# Altium PCB Zotino.PCBDOC (part 5 of 8)
Units mil, origin at the board's own origin, x right, y up, seen from the top; angles counter-clockwise.
Board outline 6303.18 x 3940.98 mil, 4 copper layers (TopLayer, Internal Plane 2, Signal Layer 1, BottomLayer), stack 61.54 mil thick; 716 components, 353 nets, 2092 pads, 748 vias.
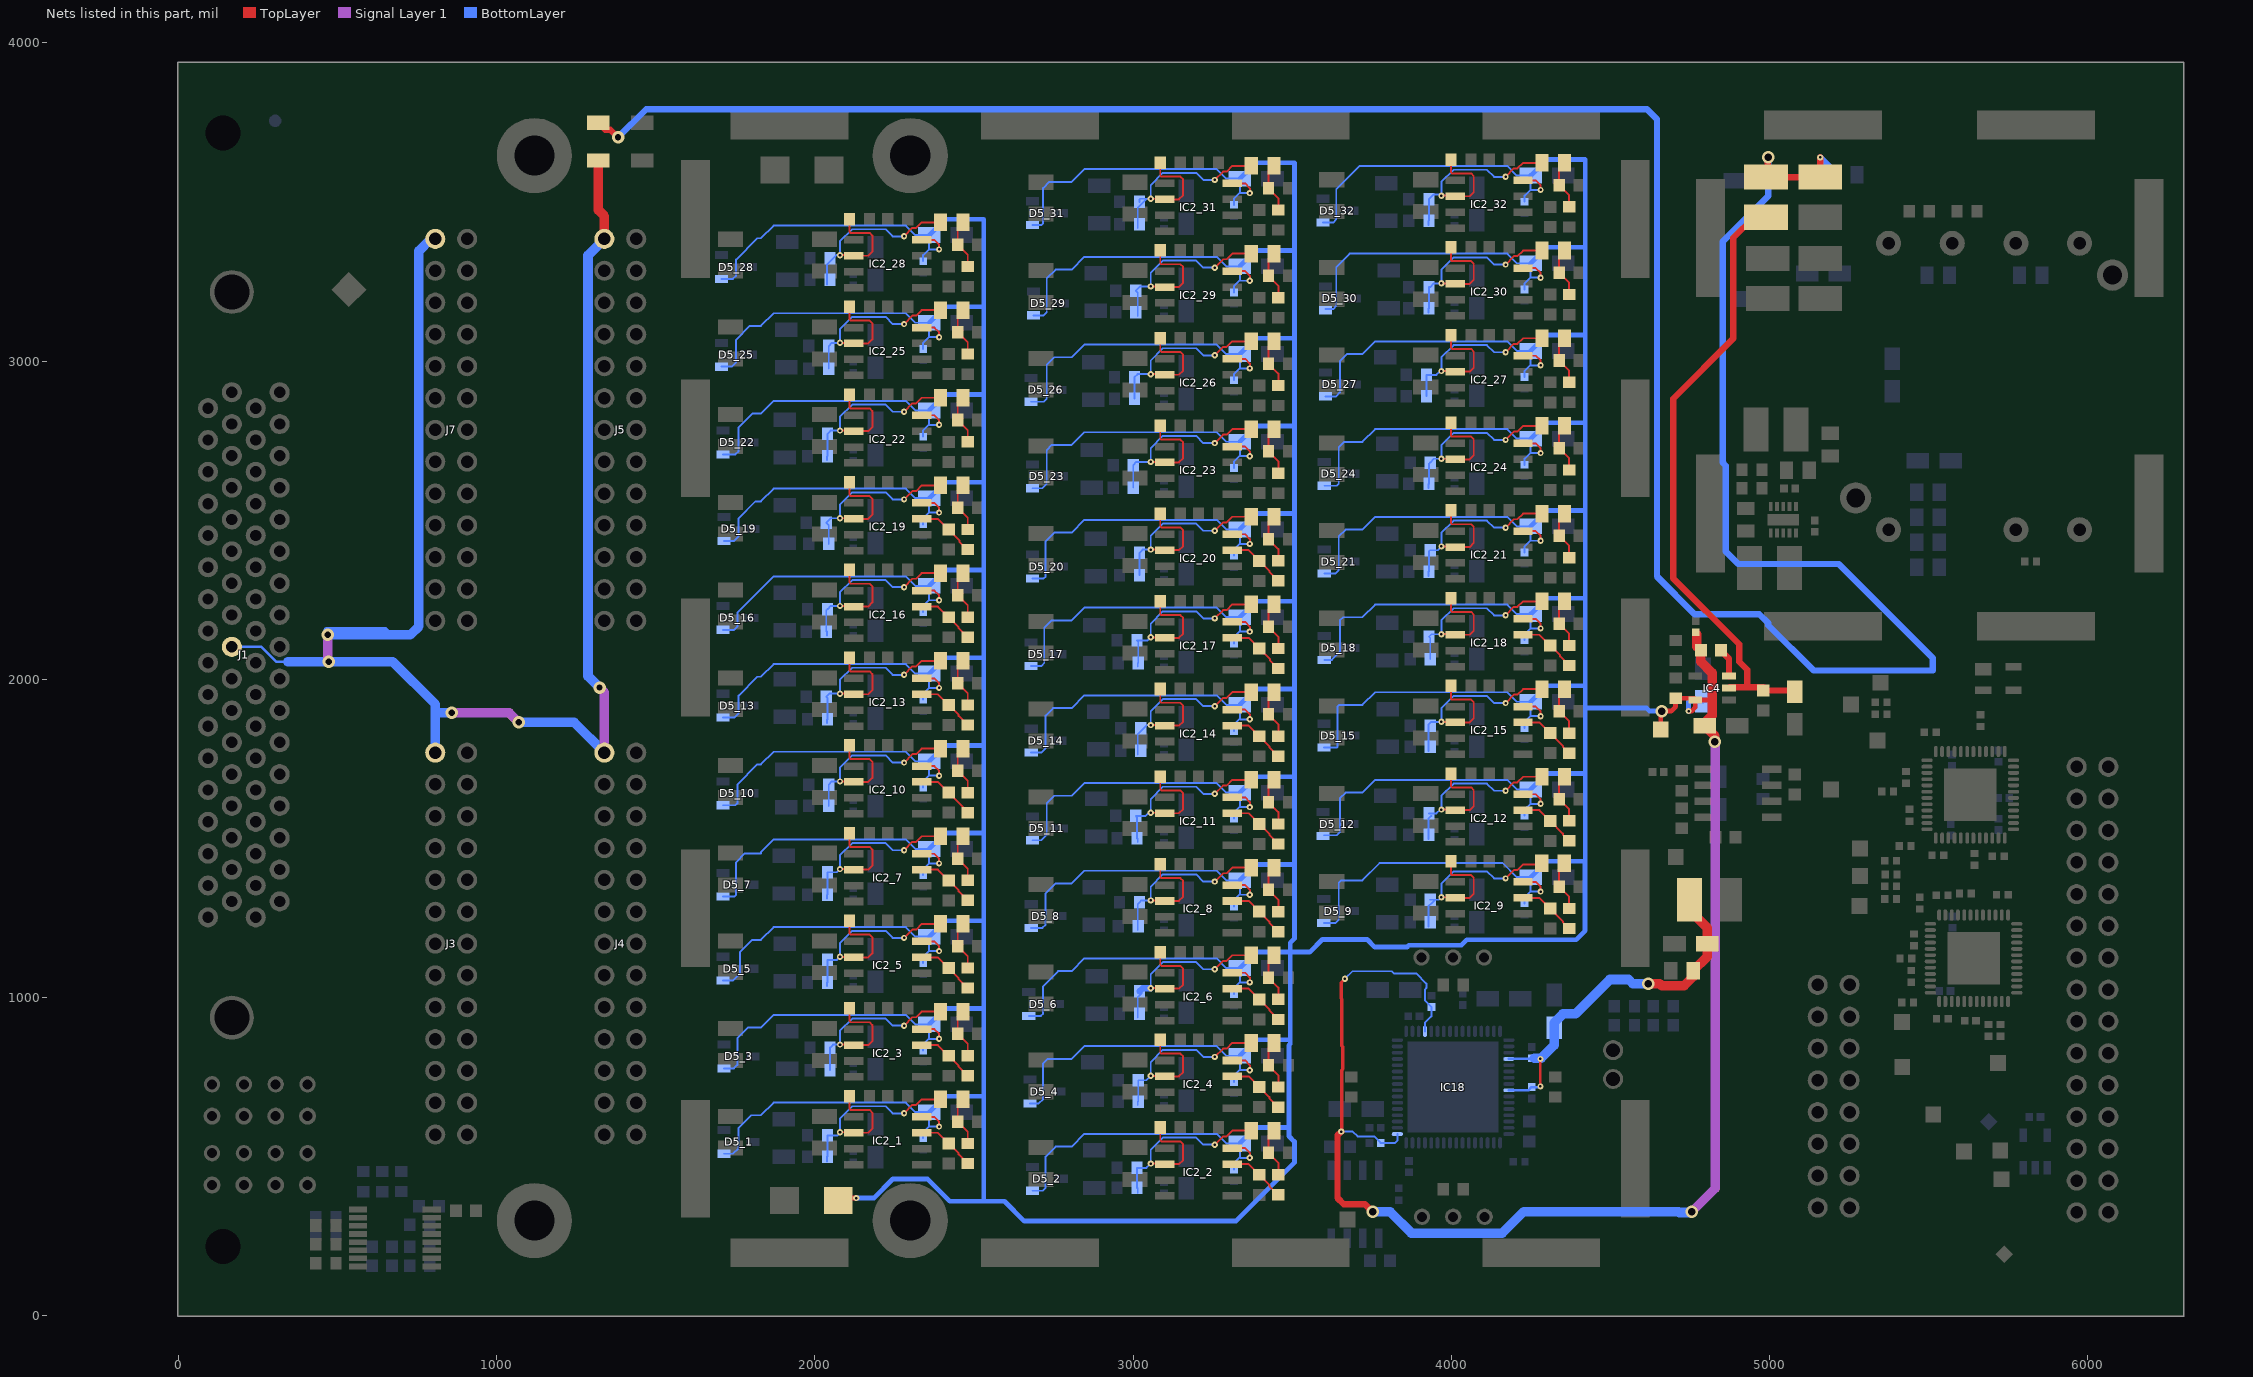
[diagram p7: the nets of this part, all layers, seen from the top]

## Via types
v1: diameter 19.68, hole 7.87, TopLayer to BottomLayer, tented both sides, 647 vias
v2: diameter 23.62, hole 11.81, TopLayer to BottomLayer, tented both sides, 70 vias
v3: diameter 39.37, hole 23.62, TopLayer to BottomLayer, tented both sides, 23 vias
v4: diameter 39.37, hole 19.68, TopLayer to BottomLayer, tented both sides, 8 vias

## Nets (pads, with @x,y where several pads share a name; then routed paths per layer and width w, separated by ;. In a path a pad name is that pad's centre, name@x,y a point inside that pad or via, vN(x,y) a via of type N, cw(c..) or ccw(c..) an arc to the next point about the centre after c; other vN are vias at no path point) (continued)
N12V0A: C1.2 C5.2 C6.1 C50.2 C53.2 C92_1.2 C92_2.2 C92_3.2 C92_4.2 C92_5.2 C92_6.2 C92_7.2 C92_8.2 C92_9.2 C92_10.2 C92_11.2 C92_12.2 C92_13.2 C92_14.2 C92_15.2 C92_16.2 C92_17.2 C92_18.2 C92_19.2 C92_20.2 C92_21.2 C92_22.2 C92_23.2 C92_24.2 C92_25.2 C92_26.2 C92_27.2 C92_28.2 C92_29.2 C92_30.2 C92_31.2 C92_32.2 C93_1.2 C93_2.2 C93_3.2 C93_4.2 C93_5.2 C93_6.2 C93_7.2 C93_8.2 C93_9.2 C93_10.2 C93_11.2 C93_12.2 C93_13.2 C93_14.2 C93_15.2 C93_16.2 C93_17.2 C93_18.2 C93_19.2 C93_20.2 C93_21.2 C93_22.2 C93_23.2 C93_24.2 C93_25.2 C93_26.2 C93_27.2 C93_28.2 C93_29.2 C93_30.2 C93_31.2 C93_32.2 C147.2 D5_1.1 D5_2.1 D5_3.1 D5_4.1 D5_5.1 D5_6.1 D5_7.1 D5_8.1 D5_9.1 D5_10.1 D5_11.1 D5_12.1 D5_13.1 D5_14.1 D5_15.1 D5_16.1 D5_17.1 D5_18.1 D5_19.1 D5_20.1 D5_21.1 D5_22.1 D5_23.1 D5_24.1 D5_25.1 D5_26.1 D5_27.1 D5_28.1 D5_29.1 D5_30.1 D5_31.1 D5_32.1 D11.2 IC2_1.4 IC2_2.4 IC2_3.4 IC2_4.4 IC2_5.4 IC2_6.4 IC2_7.4 IC2_8.4 IC2_9.4 IC2_10.4 IC2_11.4 IC2_12.4 IC2_13.4 IC2_14.4 IC2_15.4 IC2_16.4 IC2_17.4 IC2_18.4 IC2_19.4 IC2_20.4 IC2_21.4 IC2_22.4 IC2_23.4 IC2_24.4 IC2_25.4 IC2_26.4 IC2_27.4 IC2_28.4 IC2_29.4 IC2_30.4 IC2_31.4 IC2_32.4 IC4.5 IC18.17 IC18.36 R69.2 TP9.1 | length 54012.2
  TopLayer w6: IC2_1.4@2334.9,625 2375,625 2390,610 v1(2390,594.72) ; IC2_3.4@2334.9,900.59 2375,900.59 2390,885.59 v1(2390,870.31) ; IC2_5.4@2334.9,1176.18 2375,1176.18 2390,1161.18 v1(2390,1145.91) ; IC2_7.4@2334.9,1451.77 2375,1451.77 2390,1436.77 v1(2390,1421.5) ; IC2_10.4@2334.9,1727.36 2375,1727.36 2390,1712.36 v1(2390,1697.09) ; IC2_13.4@2334.9,2002.95 2375,2002.95 2390,1987.95 v1(2390,1972.68) ; IC2_16.4@2334.9,2278.54 2375,2278.54 2390,2263.54 v1(2390,2248.27) ; IC2_19.4@2334.9,2554.13 2375,2554.13 2390,2539.13 v1(2390,2523.86) ; IC2_22.4@2334.9,2829.72 2375,2829.72 2390,2814.72 v1(2390,2799.45) ; IC2_25.4@2334.9,3105.32 2375,3105.32 2390,3090.32 v1(2390,3075.04) ; IC2_28.4@2334.9,3380.91 2375,3380.91 2390,3365.91 v1(2390,3350.63) ; IC2_2.4@3311.28,526.57 3351.38,526.57 3366.38,511.57 v1(3366.38,496.3) ; IC2_4.4@3311.28,802.17 3351.38,802.17 3366.38,787.17 v1(3366.38,771.89) ; IC2_6.4@3311.28,1077.76 3351.38,1077.76 3366.38,1062.76 v1(3366.38,1047.48) ; IC2_8.4@3311.28,1353.35 3351.38,1353.35 3366.38,1338.35 v1(3366.38,1323.07) ; IC2_11.4@3311.28,1628.94 3351.38,1628.94 3366.38,1613.94 v1(3366.38,1598.66) ; IC2_14.4@3311.28,1904.53 3351.38,1904.53 3366.38,1889.53 v1(3366.38,1874.25) ; IC2_17.4@3311.28,2180.12 3351.38,2180.12 3366.38,2165.12 v1(3366.38,2149.84) ; IC2_20.4@3311.28,2455.71 3351.38,2455.71 3366.38,2440.71 v1(3366.38,2425.43) ; IC2_23.4@3311.28,2731.3 3351.38,2731.3 3366.38,2716.3 v1(3366.38,2701.02) ; IC2_26.4@3311.28,3006.89 3351.38,3006.89 3366.38,2991.89 v1(3366.38,2976.61) ; IC2_29.4@3311.28,3282.48 3351.38,3282.48 3366.38,3267.48 v1(3366.38,3252.2) ; IC2_31.4@3311.28,3558.07 3351.38,3558.07 3366.38,3543.07 v1(3366.38,3527.8) ; IC2_9.4@4224.67,1363.19 4264.76,1363.19 4279.76,1348.19 v1(4279.76,1332.91) ; IC2_12.4@4224.67,1638.78 4264.76,1638.78 4279.76,1623.78 v1(4279.76,1608.5) ; IC2_15.4@4224.67,1914.37 4264.76,1914.37 4279.76,1899.37 v1(4279.76,1884.09) ; IC2_18.4@4224.67,2189.96 4264.76,2189.96 4279.76,2174.96 v1(4279.76,2159.68) ; IC2_21.4@4224.67,2465.55 4264.76,2465.55 4279.76,2450.55 v1(4279.76,2435.27) ; IC2_24.4@4224.67,2741.14 4264.76,2741.14 4279.76,2726.14 v1(4279.76,2710.87) ; IC2_27.4@4224.67,3016.73 4264.76,3016.73 4279.76,3001.73 v1(4279.76,2986.46) ; IC2_30.4@4224.67,3292.32 4264.76,3292.32 4279.76,3277.32 v1(4279.76,3262.05) ; IC2_32.4@4224.67,3567.91 4264.76,3567.91 4279.76,3552.91 v1(4279.76,3537.64)
  TopLayer w10: v1(3653.54,578.74) 3655.35,580.56 3655.35,772.2 3658.11,774.96 3658.11,845.35 3655.35,848.1 3655.35,983.19 3655.07,983.47 3655.07,994.95 3653.54,996.48 3653.54,1047.25 v1(3665.35,1059.05)
  TopLayer w15: D11.2@2073.33,362.45 2106.62,362.45 2114.17,370 v1(2130,370) ; TP9.1@4657.48,1842.52 4657.48,1897.48 v3(4660,1900) 4690,1900 4704.16,1914.16 R69.2@4704.16,1940.71 IC4.5@4763.22,1940.71 ; v1(4745.03,1900) 4754.33,1900 4765.75,1911.42 IC4.5@4765.75,1935.04 4816.93,1935.04 4818.9,1933.07
  TopLayer w20: v1(3653.54,578.74) 3641.73,566.94 3641.73,370.08 3661.42,350.39 3728.35,350.39 v3(3751.97,326.77)
  TopLayer w30: C5.2@4770.99,2141.73 4770.99,2103.03 C6.1@4783.46,2090.55 4783.46,2055.12 4818.9,2019.69 4818.9,1933.07 4818.9,1885.83 4795.28,1862.2 C1.2@4795.28,1854.33 4826.77,1822.83 v3(4826.77,1803.15)
  Signal Layer 1 w30: v3(4754.92,326.77) 4828.8,400.65 4828.8,1801.12 v3(4826.77,1803.15)
  BottomLayer w6: D5_25.1@1706.69,2982.28 1738.19,2982.28 1751.97,2996.06 1751.97,3066.93 1795.35,3110.32 1830,3110.32 1870,3150.32 2285.77,3150.32 2315.77,3120.32 C93_25.2@2358.82,3120.32 2358.82,3076.22 ; D5_28.1@1706.69,3257.87 1742.13,3257.87 1751.97,3267.72 1751.97,3318.9 1818.98,3385.91 1830,3385.91 1870,3425.91 2285.77,3425.91 2315.77,3395.91 C93_28.2@2358.82,3395.91 2358.82,3351.81 ; D5_5.1@1710.63,1053.15 1742.13,1053.15 1763.78,1074.8 1763.78,1141.73 1803.23,1181.18 1830,1181.18 1870,1221.18 2285.77,1221.18 2315.77,1191.18 C93_5.2@2358.82,1191.18 2358.82,1147.09 ; D5_7.1@1710.63,1316.93 1746.06,1316.93 1751.97,1322.83 1751.97,1425.2 1779.53,1452.76 1830,1452.76 1830,1456.77 1870,1496.77 2285.77,1496.77 2315.77,1466.77 C93_7.2@2358.82,1466.77 2358.82,1422.68 ; D5_10.1@1710.63,1604.33 1750,1604.33 1755.91,1610.24 1755.91,1669.29 1818.98,1732.36 1830,1732.36 1870,1772.36 2285.77,1772.36 2315.77,1742.36 C93_10.2@2358.82,1742.36 2358.82,1698.27 ; D5_13.1@1710.63,1879.92 1746.06,1879.92 1759.84,1893.7 1759.84,1948.82 1818.98,2007.95 1830,2007.95 1870,2047.95 2285.77,2047.95 2315.77,2017.95 C93_13.2@2358.82,2017.95 2358.82,1973.86 ; D5_16.1@1710.63,2155.51 1746.06,2155.51 1755.91,2165.35 1755.91,2209.45 1870,2323.54 2285.77,2323.54 2315.77,2293.54 C93_16.2@2358.82,2293.54 2358.82,2249.45 ; D5_22.1@1710.63,2706.69 1750,2706.69 1759.84,2716.54 1759.84,2791.34 1803.23,2834.72 1830,2834.72 1870,2874.72 2285.77,2874.72 2315.77,2844.72 C93_22.2@2358.82,2844.72 2358.82,2800.63 ; D5_1.1@1714.57,509.1 1742.13,509.1 1759.84,526.82 1759.84,590.55 1799.29,630 1830,630 1870,670 2285.77,670 2315.77,640 C93_1.2@2358.82,640 2358.82,595.91 ; D5_3.1@1714.57,777.56 1744.96,777.56 1755.91,788.51 1755.91,872.05 1789.45,905.59 1830,905.59 1870,945.59 2285.77,945.59 2315.77,915.59 C93_3.2@2358.82,915.59 2358.82,871.5 ; D5_19.1@1714.57,2435.04 1746.06,2435.04 1759.84,2448.82 1759.84,2505.92 1813.06,2559.13 1830,2559.13 1870,2599.13 2285.77,2599.13 2315.77,2569.13 C93_19.2@2358.82,2569.13 2358.82,2525.04 ; C92_1.2@2340,557.72 2340,577.09 2358.82,595.91 ; C92_3.2@2340,833.31 2340,852.68 2358.82,871.5 ; C92_5.2@2340,1108.9 2340,1128.27 2358.82,1147.09 ; C92_7.2@2340,1384.49 2340,1403.86 2358.82,1422.68 ; C92_10.2@2340,1660.08 2340,1679.45 2358.82,1698.27 ; C92_13.2@2340,1935.67 2340,1955.04 2358.82,1973.86 ; C92_16.2@2340,2211.26 2340,2230.63 2358.82,2249.45 ; C92_19.2@2340,2486.85 2340,2506.22 2358.82,2525.04 ; C92_22.2@2340,2762.44 2340,2781.81 2358.82,2800.63 ; C92_25.2@2340,3038.03 2340,3057.4 2358.82,3076.22 ; C92_28.2@2340,3313.62 2340,3332.99 2358.82,3351.81 ; v1(2390,594.72) 2360,594.72 2358.82,595.91 ; v1(2390,870.31) 2360,870.31 2358.82,871.5 ; v1(2390,1145.91) 2360,1145.91 2358.82,1147.09 ; v1(2390,1421.5) 2360,1421.5 2358.82,1422.68 ; v1(2390,1697.09) 2360,1697.09 2358.82,1698.27 ; v1(2390,1972.68) 2360,1972.68 2358.82,1973.86 ; v1(2390,2248.27) 2360,2248.27 2358.82,2249.45 ; v1(2390,2523.86) 2360,2523.86 2358.82,2525.04 ; v1(2390,2799.45) 2360,2799.45 2358.82,2800.63 ; v1(2390,3075.04) 2360,3075.04 2358.82,3076.22 ; v1(2390,3350.63) 2360,3350.63 2358.82,3351.81 ; D5_6.1@2671.88,942.16 2709.88,942.16 2716.54,948.82 2716.54,1035.43 2763.86,1082.76 2806.38,1082.76 2846.38,1122.76 3262.15,1122.76 3292.15,1092.76 C93_6.2@3335.2,1092.76 3335.2,1048.66 ; D5_4.1@2675.2,667.32 2702.76,667.32 2716.54,681.1 2716.54,792.83 2730.87,807.17 2806.38,807.17 2846.38,847.17 3262.15,847.17 3292.15,817.17 C93_4.2@3335.2,817.17 3335.2,773.07 ; D5_17.1@2679.13,2041.34 2710.63,2041.34 2720.47,2051.18 2720.47,2161.42 2744.17,2185.12 2806.38,2185.12 2846.38,2225.12 3262.15,2225.12 3292.15,2195.12 C93_17.2@3335.2,2195.12 3335.2,2151.02 ; D5_26.1@2679.13,2872.05 2718.5,2872.05 2728.35,2881.89 2728.35,2988.19 2752.05,3011.89 2806.38,3011.89 2846.38,3051.89 3262.15,3051.89 3292.15,3021.89 C93_26.2@3335.2,3021.89 3335.2,2977.8 ; D5_8.1@2679.33,1218.5 2714.57,1218.5 2724.6,1228.54 2724.6,1326.97 2755.98,1358.35 2806.38,1358.35 2846.38,1398.35 3262.15,1398.35 3292.15,1368.35 C93_8.2@3335.2,1368.35 3335.2,1324.25 ; D5_14.1@2679.33,1769.69 2710.63,1769.69 2724.41,1783.46 2724.41,1885.83 2748.11,1909.53 2806.38,1909.53 2846.38,1949.53 3262.15,1949.53 3292.15,1919.53 C93_14.2@3335.2,1919.53 3335.2,1875.43 ; D5_2.1@2683.07,392.94 2715.78,392.94 2724.41,401.57 2724.41,500 2755.98,531.57 2806.38,531.57 2846.38,571.57 3262.15,571.57 3292.15,541.57 C93_2.2@3335.2,541.57 3335.2,497.48 ; D5_11.1@2683.07,1494.09 2710.63,1494.09 2728.35,1511.81 2728.35,1610.24 2752.05,1633.94 2806.38,1633.94 2846.38,1673.94 3262.15,1673.94 3292.15,1643.94 C93_11.2@3335.2,1643.94 3335.2,1599.84 ; D5_20.1@2683.07,2316.93 2718.5,2316.93 2724.41,2322.83 2724.41,2433.07 2752.05,2460.71 2806.38,2460.71 2846.38,2500.71 3262.15,2500.71 3292.15,2470.71 C93_20.2@3335.2,2470.71 3335.2,2426.61 ; D5_23.1@2683.07,2600.39 2714.57,2600.39 2728.35,2614.17 2728.35,2720.47 2744.17,2736.3 2806.38,2736.3 2846.38,2776.3 3262.15,2776.3 3292.15,2746.3 C93_23.2@3335.2,2746.3 3335.2,2702.21 ; D5_31.1@2683.27,3427.17 2710.43,3427.17 2716.73,3433.46 2716.73,3543.5 2736.3,3563.07 2806.38,3563.07 2846.38,3603.07 3262.15,3603.07 3292.15,3573.07 C93_31.2@3335.2,3573.07 3335.2,3528.98 ; D5_29.1@2687.01,3143.7 2718.5,3143.7 2728.35,3153.54 2728.35,3259.84 2755.98,3287.48 2806.38,3287.48 2846.38,3327.48 3262.15,3327.48 3292.15,3297.48 C93_29.2@3335.2,3297.48 3335.2,3253.39 ; C92_2.2@3316.38,459.29 3316.38,478.66 3335.2,497.48 ; C92_4.2@3316.38,734.88 3316.38,754.25 3335.2,773.07 ; C92_6.2@3316.38,1010.47 3316.38,1029.84 3335.2,1048.66 ; C92_8.2@3316.38,1286.06 3316.38,1305.43 3335.2,1324.25 ; C92_11.2@3316.38,1561.65 3316.38,1581.02 3335.2,1599.84 ; C92_14.2@3316.38,1837.24 3316.38,1856.62 3335.2,1875.43 ; C92_17.2@3316.38,2112.83 3316.38,2132.21 3335.2,2151.02 ; C92_20.2@3316.38,2388.43 3316.38,2407.8 3335.2,2426.61 ; C92_23.2@3316.38,2664.02 3316.38,2683.39 3335.2,2702.21 ; C92_26.2@3316.38,2939.61 3316.38,2958.98 3335.2,2977.8 ; C92_29.2@3316.38,3215.2 3316.38,3234.57 3335.2,3253.39 ; C92_31.2@3316.38,3490.79 3316.38,3510.16 3335.2,3528.98 ; v1(3366.38,496.3) 3336.38,496.3 3335.2,497.48 ; v1(3366.38,771.89) 3336.38,771.89 3335.2,773.07 ; v1(3366.38,1047.48) 3336.38,1047.48 3335.2,1048.66 ; v1(3366.38,1323.07) 3336.38,1323.07 3335.2,1324.25 ; v1(3366.38,1598.66) 3336.38,1598.66 3335.2,1599.84 ; v1(3366.38,1874.25) 3336.38,1874.25 3335.2,1875.43 ; v1(3366.38,2149.84) 3336.38,2149.84 3335.2,2151.02 ; v1(3366.38,2425.43) 3336.38,2425.43 3335.2,2426.61 ; v1(3366.38,2701.02) 3336.38,2701.02 3335.2,2702.21 ; v1(3366.38,2976.61) 3336.38,2976.61 3335.2,2977.8 ; v1(3366.38,3252.2) 3336.38,3252.2 3335.2,3253.39 ; v1(3366.38,3527.8) 3336.38,3527.8 3335.2,3528.98 ; D5_32.1@3596.46,3435.04 3627.95,3435.04 3637.8,3444.88 3637.8,3539.37 3711.34,3612.91 4175.53,3612.91 4205.53,3582.91 C93_32.2@4248.58,3582.91 4248.58,3538.82 ; D5_9.1@3598.62,1234.25 3635.83,1234.25 3645.67,1244.09 3645.67,1360.14 3653.72,1368.19 3719.76,1368.19 3774.31,1422.73 4160.99,1422.73 4205.53,1378.19 C93_9.2@4248.58,1378.19 4248.58,1334.09 ; D5_12.1@3598.62,1509.84 3639.76,1509.84 3649.24,1519.32 3649.24,1625.62 3667.4,1643.78 3719.76,1643.78 3759.76,1683.78 4175.53,1683.78 4205.53,1653.78 C93_12.2@4248.58,1653.78 4248.58,1609.69 ; D5_15.1@3599.66,1785.43 3639.76,1785.43 3641.73,1787.4 3641.73,1913.39 3647.72,1919.37 3719.76,1919.37 3759.76,1959.37 4175.53,1959.37 4205.53,1929.37 C93_15.2@4248.58,1929.37 4248.58,1885.28 ; D5_18.1@3600.39,2061.02 3624.02,2061.02 3649.61,2086.61 3649.61,2185.04 3659.53,2194.96 3719.76,2194.96 3759.76,2234.96 4175.53,2234.96 4205.53,2204.96 C93_18.2@4248.58,2204.96 4248.58,2160.87 ; D5_21.1@3600.39,2332.68 3635.83,2332.68 3645.67,2342.52 3645.67,2448.82 3667.4,2470.55 3719.76,2470.55 3759.76,2510.55 4175.53,2510.55 4205.53,2480.55 C93_21.2@4248.58,2480.55 4248.58,2436.46 ; D5_24.1@3600.39,2608.27 3639.76,2608.27 3645.67,2614.17 3645.67,2728.35 3663.46,2746.14 3719.76,2746.14 3759.76,2786.14 4175.53,2786.14 4205.53,2756.14 C93_24.2@4248.58,2756.14 4248.58,2712.05 ; D5_27.1@3604.33,2889.2 3637.24,2889.2 3649.61,2901.57 3649.61,3000 3671.34,3021.73 3719.76,3021.73 3759.76,3061.73 4175.53,3061.73 4205.53,3031.73 C93_27.2@4248.58,3031.73 4248.58,2987.64 ; D5_30.1@3604.33,3163.39 3627.95,3163.39 3637.8,3173.23 3637.8,3295.28 3679.84,3337.32 4175.53,3337.32 4205.53,3307.32 C93_30.2@4248.58,3307.32 4248.58,3263.23 ; v1(3653.54,578.74) 3689.5,578.74 3704.72,563.51 3757.64,563.51 3777.56,543.6 C53.2@3777.56,543.31 3822.83,543.31 3830.02,550.49 IC18.17@3830.02,570.87 ; v1(3665.35,1059.05) 3688.97,1082.68 3811.92,1082.68 3818.49,1076.11 3888.94,1076.11 3921.26,1043.79 3921.26,1030.34 3916.8,1025.88 3916.8,990.39 3936.72,970.47 C50.2@3937.01,970.47 3937.01,940.94 3916.63,920.57 IC18.36@3916.63,893.7 ; C92_9.2@4229.77,1295.9 4229.76,1315.28 4248.58,1334.09 ; C92_12.2@4229.76,1571.49 4229.76,1590.87 4248.58,1609.69 ; C92_15.2@4229.76,1847.09 4229.76,1866.46 4248.58,1885.28 ; C92_18.2@4229.77,2122.68 4229.76,2142.05 4248.58,2160.87 ; C92_21.2@4229.77,2398.27 4229.76,2417.64 4248.58,2436.46 ; C92_24.2@4229.76,2673.86 4229.76,2693.23 4248.58,2712.05 ; C92_27.2@4229.76,2949.45 4229.76,2968.82 4248.58,2987.64 ; C92_30.2@4229.77,3225.04 4229.76,3244.41 4248.58,3263.23 ; C92_32.2@4229.76,3500.63 4229.76,3520 4248.58,3538.82 ; v1(4279.76,1332.91) 4249.76,1332.91 4248.58,1334.09 ; v1(4279.76,1608.5) 4249.76,1608.5 4248.58,1609.69 ; v1(4279.76,1884.09) 4249.76,1884.09 4248.58,1885.28 ; v1(4279.76,2159.68) 4249.76,2159.68 4248.58,2160.87 ; v1(4279.76,2435.27) 4249.76,2435.27 4248.58,2436.46 ; v1(4279.76,2710.87) 4249.76,2710.87 4248.58,2712.05 ; v1(4279.76,2986.46) 4249.76,2986.46 4248.58,2987.64 ; v1(4279.76,3262.05) 4249.76,3262.05 4248.58,3263.23 ; v1(4279.76,3537.64) 4249.76,3537.64 4248.58,3538.82
  BottomLayer w15: v1(2130,370) 2185.29,370 2245.11,429.82 2353.31,429.82 2423.13,360 2530,360 ; C93_1.2@2358.82,640 2408.82,690 2530,690 ; C93_3.2@2358.82,915.59 2408.82,965.59 2530,965.59 ; C93_5.2@2358.82,1191.18 2408.82,1241.18 2530,1241.18 ; C93_7.2@2358.82,1466.77 2408.82,1516.77 2530,1516.77 ; C93_10.2@2358.82,1742.36 2408.82,1792.36 2530,1792.36 ; C93_13.2@2358.82,2017.95 2408.82,2067.95 2530,2067.95 ; C93_16.2@2358.82,2293.54 2408.82,2343.54 2530,2343.54 ; C93_19.2@2358.82,2569.13 2408.82,2619.13 2530,2619.13 ; C93_22.2@2358.82,2844.72 2408.82,2894.72 2530,2894.72 ; C93_25.2@2358.82,3120.32 2408.82,3170.32 2530,3170.32 ; C93_28.2@2358.82,3395.91 2408.82,3445.91 2530,3445.91 2530,3170.32 ; C93_2.2@3335.2,541.57 3385.2,591.57 3489.47,591.57 ; C93_4.2@3335.2,817.17 3385.2,867.17 3493.41,867.17 ; C93_6.2@3335.2,1092.76 3385.2,1142.76 3493.41,1142.76 ; C93_8.2@3335.2,1368.35 3385.2,1418.35 3506.38,1418.35 ; C93_11.2@3335.2,1643.94 3385.2,1693.94 3506.38,1693.94 ; C93_14.2@3335.2,1919.53 3385.2,1969.53 3506.38,1969.53 ; C93_17.2@3335.2,2195.12 3385.2,2245.12 3506.38,2245.12 ; C93_20.2@3335.2,2470.71 3385.2,2520.71 3506.38,2520.71 ; C93_23.2@3335.2,2746.3 3385.2,2796.3 3506.38,2796.3 ; C93_26.2@3335.2,3021.89 3385.2,3071.89 3506.38,3071.89 ; C93_29.2@3335.2,3297.48 3385.2,3347.48 3506.38,3347.48 ; C93_31.2@3335.2,3573.07 3385.2,3623.07 3506.38,3623.07 3506.38,3347.48 ; C93_9.2@4248.58,1378.19 4298.58,1428.19 4419.76,1428.19 ; C93_12.2@4248.58,1653.78 4298.58,1703.78 4419.76,1703.78 ; C93_15.2@4248.58,1929.37 4298.58,1979.37 4419.76,1979.37 ; C93_18.2@4248.58,2204.96 4298.58,2254.96 4419.76,2254.96 ; C93_21.2@4248.58,2480.55 4298.58,2530.55 4419.76,2530.55 ; C93_24.2@4248.58,2756.14 4298.58,2806.14 4419.76,2806.14 ; C93_27.2@4248.58,3031.73 4298.58,3081.73 4419.76,3081.73 ; C93_30.2@4248.58,3307.32 4298.58,3357.32 4419.76,3357.32 ; C93_32.2@4248.58,3582.91 4298.58,3632.91 4419.76,3632.91 ; 4420,3632.91 4420,1910 ; v3(4660,1900) 4622.54,1900 4612.54,1910 4420,1910 ; v1(4745.03,1900) 4745.03,1930 4745.89,1930.87 C147.2@4790.3,1930.87 ; 2530,360 2595.44,360 2657.9,297.55 3322.62,297.55 3506.38,481.3 3506.38,547.24 3489.47,564.15 3489.47,591.57 ; 2530,360 2530,690 ; 2530,690 2530,965.59 ; 2530,965.59 2530,1241.18 ; 2530,1241.18 2530,1516.77 ; 2530,1516.77 2530,1792.36 ; 2530,1792.36 2530,2067.95 ; 2530,2067.95 2530,2343.54 ; 2530,2343.54 2530,2619.13 ; 2530,2619.13 2530,2894.72 ; 2530,2894.72 2530,3170.32 ; 3489.47,591.57 3489.47,850.26 3493.41,854.19 3493.41,867.17 ; 3493.41,867.17 3493.41,1142.76 ; 3493.41,1142.76 3493.41,1172.07 3506.38,1185.04 3506.38,1418.35 ; 3493.41,1142.76 3554.9,1142.76 3594.49,1182.34 3735.45,1182.34 3759.08,1158.71 3860.75,1158.71 3866.11,1164.07 4031.34,1164.07 4048.6,1181.33 4391.33,1181.33 4419.76,1209.76 4419.76,1428.19 ; 3506.38,1418.35 3506.38,1693.94 ; 3506.38,1693.94 3506.38,1969.53 ; 3506.38,1969.53 3506.38,2245.12 ; 3506.38,2245.12 3506.38,2520.71 ; 3506.38,2520.71 3506.38,2796.3 ; 3506.38,2796.3 3506.38,3071.89 ; 3506.38,3071.89 3506.38,3347.48 ; 4419.76,1428.19 4420,1428.42 4420,1910
  BottomLayer w20: v3(4754.92,326.77) v3@4755.91,326.77
  BottomLayer w30: v3(3751.97,326.77) 3807.09,326.77 3874.02,259.84 4159.45,259.84 4226.38,326.77 4713.7,326.77 4715.99,324.49 4752.64,324.49 v3(4754.92,326.77)
N13V0_SCSI: F2.1 J1.52 J3.26 J4.26 J5.26 J7.26 | length 5190
  TopLayer w30: F2.1@1319.39,3630.17 1319.39,3474.34 1338.28,3455.44 J5.26@1338.29,3383.71
  Signal Layer 1 w30: v4@468.84,2061.13 v4(468.84,2139.89) ; v4(858.84,1894.89) 1038.84,1894.89 v4(1068.84,1864.89) ; v4(1323.15,1973.89) 1338.28,1958.75 J4.26@1338.29,1769.53
  BottomLayer w8: J1.52@167.72,2102.02 260.45,2102.02 307.57,2054.89 343.42,2054.89
  BottomLayer w20: v4@464.86,2154.21 649.62,2154.21 663.94,2139.89 664.8,2139.02
  BottomLayer w30: 343.42,2054.89 v4(472.44,2054.89) 673.84,2054.89 806.79,1921.94 806.79,1894.89 ; v4(468.84,2139.89) 663.94,2139.89 728.84,2139.89 755.29,2166.34 755.29,3346.34 792.66,3383.71 J7.26@806.79,3383.71 ; J3.26@806.79,1769.53 806.79,1894.89 ; v4(858.84,1894.89) 806.79,1894.89 ; v4(1068.84,1864.89) 1242.93,1864.89 J4.26@1338.29,1769.53 ; v4(1323.15,1973.89) 1286.79,2010.25 1286.79,3332.21 J5.26@1338.29,3383.71
NetC2_2: C2.2 C142.2 F2.2 L9.2 L15.1 | length 8302.3
  TopLayer w20: F2.2@1340.45,3748.28 F2.2@1319.39,3748.28 1340.78,3726.89 1357.15,3726.89 v4(1381.15,3702.89) ; L15.1@4988.84,3577.88 5135.85,3577.88 L9.2@5138.84,3574.89 ; L15.1@4988.84,3589.89 4993.84,3594.89 v3@4993.84,3634.89 ; L9.2@5158.84,3577.88 v1(5158.84,3639.89)
  BottomLayer w20: v4(1381.15,3702.89) 1469.49,3791.23 4614.28,3791.23 4645.67,3759.84 4645.67,2322.83 4763.78,2204.72 4967.46,2204.72 4995.31,2176.87 4995.31,2170.04 5137.8,2027.56 5511.81,2027.56 5511.81,2066.93 5216.34,2362.4 4901.38,2362.4 4862.2,2401.57 4862.2,2671.31 4852.16,2681.35 4852.16,3375.78 4995.02,3518.64 v3(4995.02,3640.89) ; v1(5158.84,3639.89) 5198.84,3599.89 C142.2@5198.84,3589.89
NetC3_2: C3.2 C144.2 IC4.2 L15.2 | length 1917.8
  TopLayer w20: IC4.2@4873.84,1974.89 4928.84,1974.89 ; 4928.84,2004.89 4928.84,1974.89 ; 4928.84,2009.89 4928.84,2029.89 4903.84,2054.89 4903.84,2109.89 4696.85,2316.88 4696.85,2881.89 4885.83,3070.87 4885.83,3386.88 4950.85,3451.9 L15.2@4988.84,3451.9 ; C144.2@4980.32,1964.57 5074.8,1964.57 C3.2@5078.74,1960.63 ; C144.2@4980.32,1974.89 4928.84,1974.89
NetC6_2: C6.2 IC4.3 | length 91.3
  TopLayer w20: C6.2@4846.46,2090.55 4872.05,2064.96 IC4.3@4872.05,2009.84
NetC7_1: C7.1 C8.2 C13.2 C14.1 C83.2 IC18.52 IC18.57 L1.2 | length 1216
  TopLayer w8: v1(4279.53,720.47) v1(4279.53,807.09)
  TopLayer w30: v3(4618.11,1043.31) 4653.8,1043.31 4660.02,1037.09 4730.98,1037.09 4759.84,1065.94 C8.2@4759.84,1084.65 4803.15,1127.95 C7.1@4803.15,1169.29 4803.15,1219.49 4748.03,1274.61 L1.2@4748.03,1307.09
  BottomLayer w8: IC18.57@4180.41,708.66 4242.13,708.66 C83.2@4251.97,718.5 4277.56,718.5 v1(4279.53,720.47) ; IC18.52@4180.41,807.09 C13.2@4259.84,807.09
  BottomLayer w30: C13.2@4259.84,809.06 4281.5,809.06 4322.84,850.39 C14.1@4322.84,905.51 4322.84,921.26 4350.39,948.82 4389.76,948.82 4497.54,1056.59 4556.29,1056.59 4569.57,1043.31 v3(4618.11,1043.31)